# Altium PCB openmv-stm32n.PcbDoc (part 4 of 5)
Units mil, origin at the board's own origin, x right, y up, seen from the top; angles counter-clockwise.
Board outline 1400 x 1750 mil, 10 copper layers (Top Layer, L2, L3H, L5Z, L4, L6G, L7P, L8V, L9, Bottom Layer), stack 46.102 mil thick; 354 components, 264 nets, 1311 pads, 599 vias.
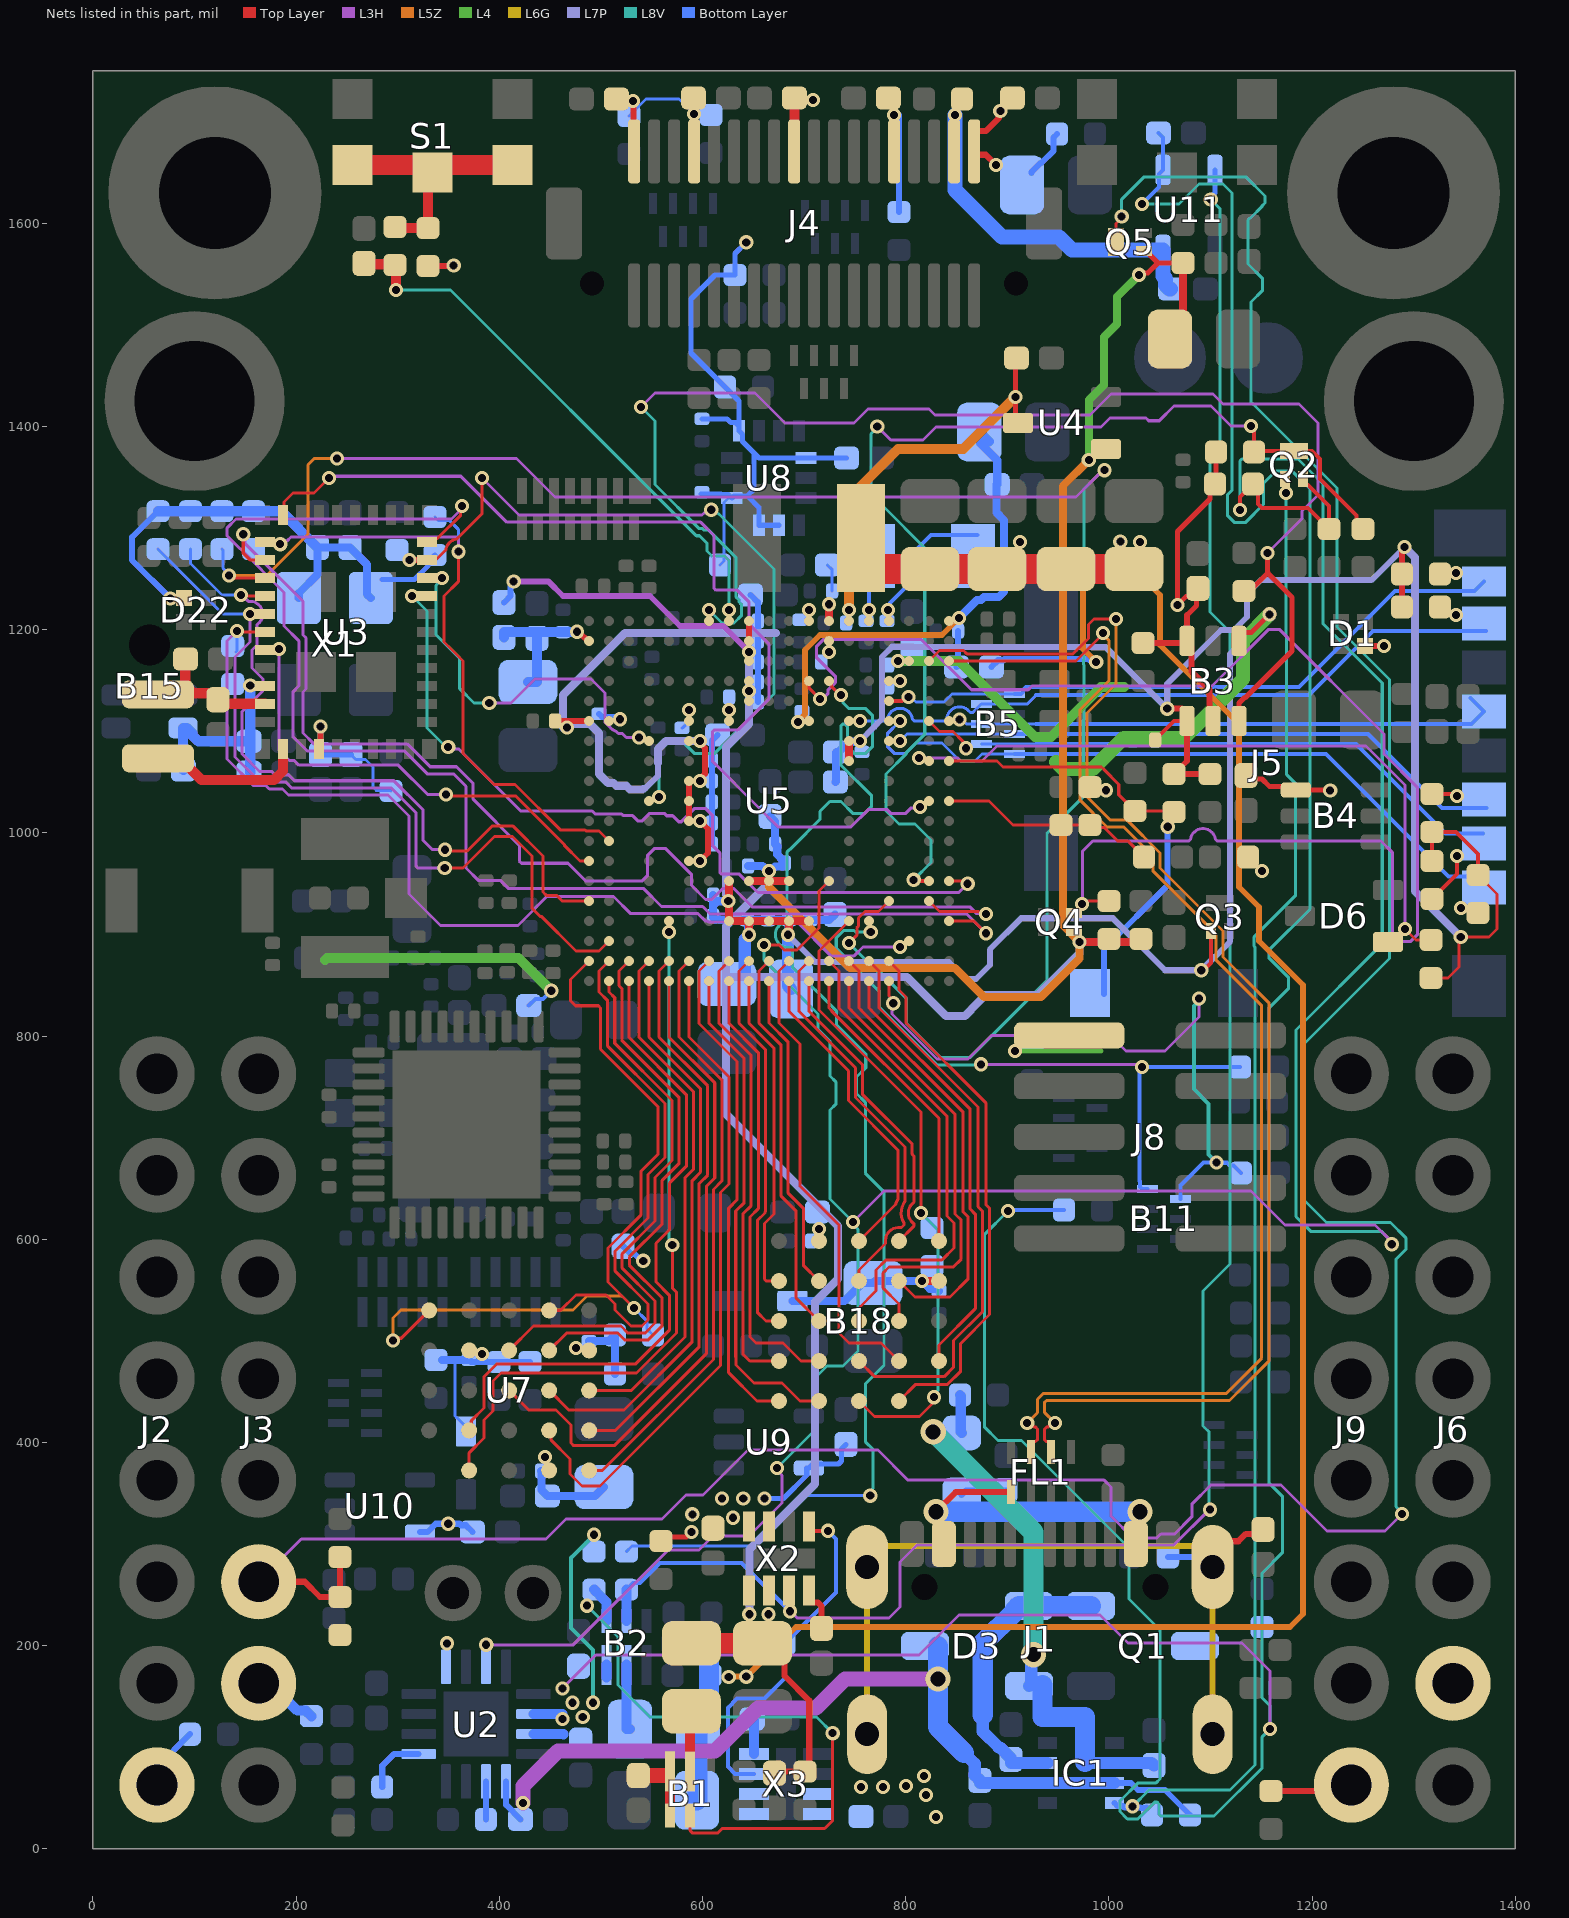
[diagram p12: the nets of this part, all layers, seen from the top]

## Via types
v1: diameter 14, hole 8, Top Layer to Bottom Layer, tented both sides, 586 vias
v2: diameter 35, hole 15, Top Layer to Bottom Layer, tented both sides, 6 vias
v3: diameter 25, hole 15, Top Layer to Bottom Layer, tented both sides, 5 vias
v4: diameter 20, hole 10, Top Layer to Bottom Layer, tented both sides, 1 vias
v5: diameter 20, hole 8, Top Layer to Bottom Layer, tented both sides, 1 vias

## Nets (pads, with @x,y where several pads share a name; then routed paths per layer and width w, separated by ;. In a path a pad name is that pad's centre, name@x,y a point inside that pad or via, vN(x,y) a via of type N, cw(c..) or ccw(c..) an arc to the next point about the centre after c; other vN are vias at no path point) (continued)
P17_MISO: B11.5 R39.1 U5.D19 | length 662.2
  Top Layer w3: U5.D19@783.46,854.33 783.46,839.59 787.7,835.36 v1(787.7,832.38)
  L3H w3: v1(787.7,832.38) 786.42,831.1 786.42,821.85 830.71,777.56 861.22,777.56 884.35,800.69 1001.48,800.69 1016.73,785.43 1055.12,785.43 1088.59,818.91 v1(1088.59,837.06)
  L8V w4: v1(1088.59,837.06) 1088.59,834.65 1083.66,829.71 1083.66,747.81 1098.05,733.42 1098.05,683.43 v1(1105.8,675.67)
  Bottom Layer w4: B11.5@1070.47,639.76 1070.47,653.15 1093,675.67 v1(1105.8,675.67) 1106.02,675.46 1115.97,675.46 1118.83,672.6 1122.68,672.6 R39.1@1129.92,665.35
P18_MOSI: B11.4 R38.1 U5.E16 | length 630.7
  L3H w3: v1(874.13,772.29) 1026.84,772.29 1029.44,769.68 v1(1032.42,769.68)
  L8V w3: v1(765.46,902.56) 750.77,902.56 749.22,904.1 738.87,904.1 731.54,896.78 731.54,886.43 773.92,844.05 773.92,828.48 830.56,771.84 873.68,771.84 v1(874.13,772.29)
  Bottom Layer w4: B11.4@1037.8,649.61 1032.3,649.61 1030.37,651.54 1030.37,657.03 1030.08,657.32 1030.08,767.34 v1(1032.42,769.68) R38.1@1128.94,769.68
PG_1V8: B2.2 R16.2 U11.3 X2.3 | length 2058.6
  L3H w3: v1(686,234) 686.5,234 693.14,227.36 783.46,227.36 794.29,238.19 794.29,282.48 811.02,299.21 1063.8,299.21 1098.55,333.96 v1(1099.34,333.96)
  L8V w3: v1(1099.34,333.96) 1098.54,334.77 1098.54,410.38 1092.52,416.4 1092.52,549.21 1119.09,575.79 1119.09,1197.83 1099.45,1217.48 1099.45,1376.03 1109.29,1385.87 1109.29,1614.5 v1(1100.22,1623.57)
  Bottom Layer w4: R16.2@525,255.3 531.31,261.61 538.18,261.61 558.07,281.5 638.5,281.5 v1(686,234)
  Bottom Layer w5: v1(1100.22,1623.57) 1100.22,1626.01 1104.33,1630.12 U11.3@1104.33,1652.56
  Bottom Layer w10: R16.2@525,255.3 525.13,255.17 B2.2@525.13,224.59
PG_3V3: B1.2 B2.1 R8.1 | length 604.9
  Top Layer w3: B1.2@587.75,32.9 587.75,18.07 590.22,15.59 614.63,15.59 619.2,20.16 720.16,20.16 728,28 v1(728,114)
  L8V w3: v1(486.2,239.49) 516.73,208.96 516.73,161.42 548.23,129.92 712.08,129.92 v1(728,114)
  Bottom Layer w10: R8.1@493,255.3 493.31,255.3 499.1,249.51 499.1,249.2 505.44,242.86 B2.1@505.44,224.59
PG_3V3_GATED: R3.1 X2.5 X3.3 | length 346.8
  Top Layer w4: X2.5@704.53,317.5 704.53,313.14 v1(723.33,313.14)
  Bottom Layer w4: X3.3@650.5,73.84 650.43,73.92 632.08,73.92 625,81 625,139 634,148 661,148 680.7,167.7 R3.1@680.7,202 731.16,252.46 731.16,305.31 v1(723.33,313.14)
PGOOD: Q2.2 R4.1 R43.1 U2.7 U5.G14 | length 2888.9
  Top Layer w3: v1(660.55,889.71) 675.49,889.71 680.36,884.84 692.91,884.84 714.57,906.5 714.57,942.91 U5.G14@724.41,952.76
  Top Layer w4: v1(1128.94,1317.91) 1128.94,1330.71 R43.1@1141.73,1343.5 1146.56,1338.68 1146.56,1323.73 1150.41,1319.88 1195.87,1319.88 R4.1@1216.54,1299.21 1216.54,1321.85 1195.83,1342.55 1193.87,1342.55 1190.94,1345.47 Q2.2@1190.94,1348.43
  L3H w3: v1(387,201) 472.8,201 566.09,294.29 596.46,294.29 610.24,308.07 645.67,308.07 678.15,340.55 678.15,367.74 673.23,372.66 v1(673.23,375) ; v1(748.03,617.13) 778.54,647.64 1139.76,647.64 1173.23,614.17 1261.9,614.17 1278.36,597.71 v1(1278.36,595.27)
  L8V w3: v1(660.55,889.71) 660.55,874.88 713.58,821.85 713.58,807.09 725.42,795.25 725.42,760.81 731.11,755.12 731.11,733.03 725.42,727.34 725.42,639.73 v1(748.03,617.13) 748.03,614.79 752.95,609.87 752.95,490.16 738.19,475.39 722.44,475.39 709.65,462.6 709.65,411.42 v1(673.23,375) ; v1(1128.94,1317.91) 1128.94,1366.35 1130.69,1368.11 1186.02,1368.11 1210.63,1343.5 1210.63,1205.95 1268.94,1147.64 1268.94,890.99 1184.12,806.16 1184.12,622.42 1198.56,607.97 1268.1,607.97 1278.36,597.71 v1(1278.36,595.27)
PMIC_ONOFF: D8.1 J3.3 Q5.3 R100.1 | length 3105.8
  Top Layer w3: Q5.3@1006.89,1581.69 1006.89,1599.92 1012.48,1605.52 v1(1012.48,1606.76)
  Top Layer w6: J3.3@163,263 208.46,263 223.43,248.03 R100.1@243.11,248.03 D8.1@243.11,287.4
  L3H w3: J3.3@163,263 205.12,305.12 445.87,305.12 465.55,324.8 560.04,324.8 583.66,348.43 600.39,348.43 644.68,392.72 772.58,392.72 802.23,363.07 995.2,363.07 1001.97,356.3 1001.97,327.76 1023.51,306.21 1047.24,306.21 1051.07,310.04 1064.73,310.04 1081.58,326.89 1081.58,339.45 1100.39,358.27 1169.29,358.27 1214.57,312.99 1271.65,312.99 v1(1288.39,329.72)
  L8V w3: v1(1012.48,1606.76) 1012.48,1623.7 1034.56,1645.78 1134.73,1645.78 1153.54,1626.97 1153.54,1620.08 1150.84,1617.38 1150.84,1616.91 1139.25,1605.32 1138.57,1605.32 1136.81,1603.56 1136.81,1560.04 1151.28,1545.57 1151.28,1534.19 1139.76,1522.68 1139.76,1424.27 1224.44,1339.6 1224.44,1202.73 1276.04,1151.12 1276.04,876.44 1191.92,792.32 1191.92,638.79 1214.1,616.61 1277.09,616.61 1292.22,601.48 1292.22,590.09 1282.57,580.45 1282.57,336.98 1288.39,331.17 v1(1288.39,329.72)
PWM_FSIN: R28.2 R53.2 R54.2 U5.A10 | length 214.8
  Top Layer w3: U5.A10@842.52,1031.5 881.89,1031.5 905.51,1007.87 R28.2@952.76,1007.87 R53.2@981.3,1007.87 983.7,1005.47 995.46,1005.47 1008.91,992.02 1018.81,992.02 R54.2@1034.45,976.38
PWR_ON: R16.1 U5.G4 | length 1327.9
  Top Layer w3: U5.G4@724.41,1149.61 724.41,1147.75 726.7,1145.46 726.7,1144.58 735.46,1135.82 v1(736.13,1135.82)
  L8V w3: v1(736.13,1135.82) 738.24,1133.71 738.24,1128.11 743.61,1122.74 760.1,1122.74 767.42,1115.41 767.42,1085.37 760.1,1078.05 749.74,1078.05 742.42,1085.37 742.42,1105.06 740.37,1107.11 737.89,1107.11 736.13,1105.35 736.13,1066.98 766.44,1036.67 766.44,1026.32 759.11,1019 748.21,1019 736.19,1031.02 725.29,1031.02 715.57,1021.29 715.57,1013.52 688.62,986.56 682.96,980.91 682.96,913.61 682.08,912.73 681.49,912.14 ccw(c684.04,899.9) 685.42,887.48 685.58,887.48 686.82,887.48 687.69,886.61 688.58,885.72 688.58,867.76 731.92,824.43 731.92,811.09 760.61,782.4 760.61,768.93 751.46,759.79 751.46,743.64 760.21,734.89 760.21,665.15 778.43,646.93 778.43,475.91 760.14,457.62 760.14,400.9 767.72,393.33 767.72,355.04 767.16,354.48 767.16,349.89 v1(765.05,347.78)
  Bottom Layer w3: R16.1@525,292.7 530.53,298.23 649.61,298.23 699.16,347.78 v1(765.05,347.78)
RAW: B1.1 B1.6 B2.6 C10.2 C28.2 C41.2 C51.2 D5.1 J3.2 R8.2 R94.2 R100.2 U2.5 U2.10 U2.11 U11.1 | length 4086.8
  Top Layer w10: B1.6@565.27,72.34 568.06,72.34 B1.1@568.06,32.9
  Top Layer w15: C28.2@536.75,72.34 B1.6@565.27,72.34
  L3H w3: v1(462,158) 494.94,190.94 812.99,190.94 852.36,230.32 991.14,230.32 1018.7,202.76 1130.91,202.76 1158.46,175.2 v1(1158.46,118.17)
  L8V w3: v1(900.59,627.95) 877.26,604.63 877.26,415.54 890.76,402.04 913.9,402.04 1019.68,296.26 1019.68,246.06 1050.2,215.55 1050.2,68.9 1046.37,65.07 1028.67,65.07 1010.76,47.16 1010.76,36.81 1018.08,29.49 1028.44,29.49 1044.97,46.02 1047.46,46.02 1049.21,44.26 1049.21,34.24 1050.97,32.48 1103.4,32.48 1150.7,79.78 1150.7,110.4 v1(1158.46,118.17) 1158.46,140.86 1150.7,148.62 1150.7,271.72 1170.96,291.99 1170.96,346.75 1157.7,360.02 1157.7,828.02 1176.87,847.18 1176.87,857.54 1157.7,876.71 1157.7,885.01 1197.76,925.07 1197.76,1338.68 1180.03,1356.41 1164.42,1356.41 1152.13,1344.11 1152.13,1323.43 1134.11,1305.41 1123.76,1305.41 1116.44,1312.74 1116.44,1332.7 1121.06,1337.32 1121.06,1629.92 1112.2,1638.78 1088.58,1638.78 1068.9,1619.09 v1(1032.48,1619.09)
  L8V w4: v1(492,144) 492,195.99 470.47,217.52 470.47,286.64 v1(493.11,309.28)
  Bottom Layer w4: v1(900.59,627.95) 901.57,628.94 R94.2@955.71,628.94 ; v1(1032.48,1619.09) 1049.15,1635.77 1049.15,1648.56 U11.1@1053.15,1652.56 1053.15,1684.65 C51.2@1048.82,1688.98
  Bottom Layer w10: J3.2@163,163 174.38,163 201.18,136.2 209.49,136.2 D5.1@215,130.7 ; U2.11@433.5,113.16 463,113.16 463,113 ; U2.10@433.5,132.84 462,132.84 v1(462,128) ; B2.6@505.44,169 B2.6@505.44,181.28
  other v1: 482,130 472,144 348.32,202.39
RTC_XTALI: C80.1 U5.E1 Y1.2 | length 54.8
  Bottom Layer w4: v1(763.78,1219.49) 763.78,1268.7 Y1.2@767.72,1272.64
RTC_XTALO: C79.1 U5.D1 Y1.1 | length 136.8
  Bottom Layer w4: v1(782.48,1219.49) 784.39,1221.4 784.39,1226.32 804.13,1246.06 804.13,1272.64 824.66,1293.16 Y1.1@870.32,1293.16
SD_CD: D12.1 J5.CD$1 R37.2 U5.A8 | length 438.9
  Top Layer w3: U5.A8@842.52,1070.87 854.19,1070.87 889.77,1070.86 895.67,1064.96 992.72,1064.96 995.2,1062.48 995.2,1062.13 1009.61,1047.73 1009.61,1037.64 D12.1@1025.59,1021.66 1062.99,1021.66 R37.2@1063.98,1020.67
  Bottom Layer w6: J5.CD$1@995.08,841.54 995.08,885.83 1057.78,948.52 v1(1057.78,1006.11)
SD_CLK: B5.6 J5.P$5 U5.A6 | length 541.8
  Bottom Layer w3: v1(852.89,1111.68) 855.33,1111.68 859.73,1107.28 928.15,1107.28
  Bottom Layer w4: 928.15,1107.28 1356.69,1107.28 J5.P$5@1369.09,1119.68 J5.P$5@1355.9,1132.87
SD_CMD: B5.3 J5.P$3 R36.2 U5.D7 | length 635.6
  Top Layer w3: v1@1340.55,1038.39 v1(1342.52,1036.42)
  Top Layer w4: R36.2@1317.91,1038.39 v1@1340.55,1038.39
  Bottom Layer w3: v1(794.29,1090.55) 801.18,1097.44 868.11,1097.44 B5.3@907.09,1097.44
  Bottom Layer w4: B5.3@907.09,1097.44 1254.92,1097.44 1327.69,1024.67 J5.P$3@1371.44,1024.67
SD_DAT0: B5.7 J5.P$7 R35.2 U5.F6 | length 671.3
  Bottom Layer w3: v1(754.92,1110.24) 780.33,1110.24 781.21,1111.11 781.89,1111.8 cw(c794.29,1110.24) 806.69,1111.8 807.38,1111.11 808.26,1110.24 838.72,1110.24 839.59,1111.11 840.4,1111.92 cw(c852.89,1111.68) 862.58,1119.59 862.68,1119.48 863.56,1118.61 864.8,1118.61 866.05,1118.61 B5.7@874.41,1126.97 919.54,1126.97 928.32,1135.76
  Bottom Layer w4: 928.32,1135.76 1196.78,1135.76 1259.75,1198.73 J5.P$7@1370.96,1198.73
  other v1: 1341.54,1214.57
SD_DAT1: B5.1 J5.P$8 R34.2 U5.D5 | length 639.6
  Top Layer w4: U5.D5@783.46,1129.92 796.27,1129.92 800.09,1133.74 v1(802.8,1133.74)
  Bottom Layer w3: v1(802.8,1133.74) 805.25,1133.74 810.06,1128.94 837.6,1128.94 845.47,1136.81 B5.1@907.09,1136.81
  Bottom Layer w4: B5.1@907.09,1136.81 913.58,1136.81 915.52,1138.75 915.52,1140.79 918.49,1143.76 1187.06,1143.76 1281.5,1238.19 1359.63,1238.19 J5.P$8@1369.09,1247.64
  other v1: 1341.54,1255.91
SD_DAT2: B5.4 J5.P$1 R33.2 U5.D6 | length 686
  Bottom Layer w3: v1(794.29,1110.24) 781.79,1097.74 781.79,1085.37 789.11,1078.05 799.51,1078.05 810.04,1088.58 835.63,1088.58 853.35,1070.86 868.11,1070.86 875,1077.76 B5.4@907.09,1077.76
  Bottom Layer w4: B5.4@907.09,1077.76 1213.58,1077.76 1334.18,957.16 J5.P$1@1370.2,957.16
  other v1: 1346.46,926.18
SD_DAT3: B5.5 J5.P$2 R32.2 U5.B6 | length 632.7
  Top Layer w3: U5.B6@822.83,1110.24 833.1,1099.97 846.42,1099.97 856.07,1090.32 856.07,1089.64 859.37,1086.34 v1(859.37,1083.36)
  Top Layer w4: R32.2@1317.91,935.04 1342.52,959.65 v1(1342.52,977.36)
  Bottom Layer w3: B5.5@874.41,1087.6 928.15,1087.6
  Bottom Layer w4: 928.15,1087.6 1243.11,1087.6 1331.38,999.33 J5.P$2@1368.23,999.33
SD_RESET: D6.1 R25.2 U5.B8 | length 673.4
  Top Layer w3: v1(1291.34,905.51) 1302.17,894.69 R25.2@1316.93,894.69
  L3H w3: v1(812.97,1073.84) 851.22,1073.84 854.19,1070.86 875,1070.86 889.76,1085.63 1252.95,1085.63 1291.34,1047.24 v1(1291.34,905.51)
SD_V_SELECT: B3.6 R23.1 U5.N1 | length 1383.5
  Top Layer w5: B3.6@1127.95,1112.2 1127.95,1127.95 1133.33,1133.33 1134.31,1133.33 1180.12,1179.13 1180.12,1231.95 1156.19,1255.88 1156.19,1275.41 v1(1156.1,1275.49) ; R23.1@1128.94,1237.2 1134.45,1242.72 1143.04,1242.72 1156.52,1256.2
  L3H w3: v1(539.37,1419.29) 553.15,1433.07 651.57,1433.07 681.1,1403.54 749.02,1403.54 762.8,1417.32 822.83,1417.32 828.74,1411.42 981.3,1411.42 1001.97,1432.09 1102.36,1432.09 1112.2,1422.24 1187.01,1422.24 1205.71,1403.54 1205.71,1332.68 1189.96,1316.93 1189.96,1309.36 v1(1156.1,1275.49)
  L8V w3: v1(539.37,1419.29) 553.15,1405.51 553.15,1343.1 596.71,1299.54 599.88,1299.54 601.04,1298.38 605.64,1298.38 632.98,1271.04 632.98,1232.17 635.83,1229.33 635.83,1227.32 638.48,1224.67 638.48,1214.31 630.87,1206.69 619.09,1206.69 v1(606.3,1219.49)
SHELL_GND: C110.1 J1.SH R41.1 | length 834.5
  Top Layer w6: J1.SH@1102.08,277.57 1102.08,286.56 1118.4,302.88 1127.39,302.88 1134.69,310.18 1147.39,310.18 C110.1@1151.57,314.37
  L6G w6: J1.SH@761.92,113 J1.SH@761.92,277.57 761.92,298.23 1102.08,298.23 J1.SH@1102.08,277.57 J1.SH@1102.08,113
  Bottom Layer w6: R41.1@1058.07,287.4 1102.08,287.4 J1.SH@1102.08,277.57
SR_VLX: L9.1 U3.34 | length 136.3
  Top Layer w10: L9.1@85.29,1073.71 107,1052 178,1052 186.99,1060.99 U3.34@186.99,1082.84
SS_1V8: C38.2 X3.4 | length 35.1
  Bottom Layer w10: C38.2@648.87,128 650.5,126.37 X3.4@650.5,93.53
SS_3V3: C27.2 X2.4 | length 46.1
  Top Layer w6: X2.4@704.53,254.5 704.53,245.65 707.43,242.74 713.49,242.74 717,239.23 C27.2@717,217.13
ST: Q2.3 R2.1 R5.2 U5.B14 | length 1116.3
  Top Layer w4: v1(807.73,953.88) 808.85,952.76 U5.B14@822.83,952.76 ; v1(1139.76,1400.59) 1142.72,1397.64 R2.1@1142.72,1375 1143.7,1375.98 Q2.3@1182.09,1375.98 1199.8,1375.98 1207.68,1368.11 1207.68,1348.43 1243.7,1312.4 1243.7,1305.52 R5.2@1250,1299.21
  L3H w3: v1(771.95,1400.14) 785.28,1386.81 816.93,1386.81 829.72,1399.61 992.13,1399.61 1000.98,1408.46 1036.41,1408.46 1039.15,1405.73 1049.5,1405.73 1064.05,1420.28 1100.39,1420.28 1120.08,1400.59 v1(1139.76,1400.59)
  L8V w3: v1(771.95,1400.14) 771.95,1399.09 765.75,1392.89 765.75,1333.49 778.95,1320.29 818.68,1280.57 818.68,1097.26 800.47,1079.05 800.47,1078.03 780.51,1058.07 780.51,1021.65 793.31,1008.86 809.06,1008.86 824.8,993.11 824.8,970.95 v1(807.73,953.88)
ST_INT: IC1.8 Q2.1 R14.1 | length 1444.3
  L8V w3: v1(1023.26,41.99) 1039.34,58.07 1119.09,58.07 1143.7,82.68 1143.7,887.8 1142.83,888.67 1142.83,897.79 1183.76,938.72 1183.76,1048.52 1174.9,1057.38 1174.9,1193.17 1174.21,1193.86 v1(1174.21,1334.65)
  Bottom Layer w6: IC1.8@1005.43,45.27 1008.34,42.37 1013.93,42.37 1015.3,41.01 1030.98,41.01 1031.66,40.33 1036.22,40.33 R14.1@1036.9,41.01
SW_1V8: B2.5 L3.1 | length 66.7
  Bottom Layer w10: B2.5@525.13,181.28 525.13,118 L3.1@528.54,118
SW_3V3: B1.5 L2.1 | length 59.8
  Top Layer w10: B1.5@587.75,76.21 L2.1@587.75,134.29 ; L2.1@587.75,129.29 L2.1@589,130.54
TMR: R11.1 U2.14 | length 37.6
  Bottom Layer w6: R11.1@386.7,29 386.84,29.14 U2.14@386.84,66.5
TS: R9.1 U2.1 | length 61.5
  Bottom Layer w6: R9.1@284.7,61 284.7,81.94 296.23,93.47 U2.1@320.5,93.47
USB_D_N: FL1.6 U5.B3 | length 1339.4
  Top Layer w3: U5.B3@822.83,1169.29 833.1,1179.55 856.86,1179.55 860.13,1176.29 964.62,1176.29 979.79,1191.47 979.79,1205.19 985.24,1210.63 v1(1006.89,1210.63) ; FL1.6@942.84,390.69 942.84,398.57 940.4,401 938.26,401 936.5,402.76 936.5,407.87 936.67,408.04 936.67,413.42 938.42,415.18 939.76,415.18 943.87,419.29 v1(946.85,419.29)
  L5Z w3: v1@946.81,419.29 936.67,429.44 936.67,439.69 938.42,441.45 1118.61,441.45 1157.32,480.16 1157.32,832.89 1112.2,878.01 1112.2,903.6 1050.2,965.61 1050.2,980.26 1017.55,1012.91 1000.98,1012.91 978.35,1035.54 978.35,1118.11 1006.89,1146.65 v1(1006.89,1210.63)
USB_D_P: FL1.7 U5.A3 | length 1277.3
  Top Layer w3: U5.A3@842.52,1169.29 967.52,1169.29 v1@993.11,1194.88 ; v1(919.48,419.22) 922.46,419.22 926.49,415.18 927.91,415.18 929.67,413.42 929.67,410.94 929.5,410.77 929.5,402.76 927.74,401 925.6,401 923.16,398.57 FL1.7@923.16,390.69
  L5Z w3: v1@919.48,419.25 929.67,429.44 929.67,442.59 935.52,448.45 1115.71,448.45 1150.32,483.06 1150.32,829.99 1105.2,875.11 1105.2,900.7 1043.2,962.71 1043.2,977.36 1014.65,1005.91 998.09,1005.91 971.35,1032.64 971.35,1121.01 999.89,1149.55 999.89,1189.59 994.09,1195.39 v1(994.09,1196.85)
USB_VBUS: C1.1 FL1.1 J1.A4_B9 J1.B4_A9 L1.1 | length 325.4
  Top Layer w6: v3(829.7,331.91) 849.09,351.31 FL1.1@903.47,351.31
  Bottom Layer w6: L1.1@855,348.5 859.45,352.96 C1.1@898.59,352.96
  Bottom Layer w20: v3@831.05,331.91 v3@1029.18,331.91
  other v3: 1030.54,331.91
USER_SW: C25.2 R68.2 U5.M1 | length 547.4
  Top Layer w10: C25.2@266.73,1560.63 267.52,1559.84 296.46,1559.84 R68.2@297.24,1559.06 298.23,1558.07 v1(298.23,1534.45)
  L8V w3: v1(298.23,1534.45) 351.9,1534.45 586.93,1299.41 593.81,1292.54 596.98,1292.54 604.3,1285.21 604.3,1277.59 609.25,1272.64 621.49,1272.64 625.98,1268.14 v1(625.98,1219.49)
USER_SW_INT: R67.1 R68.1 S1.2 S1.3 S1.4 | length 254.2
  Top Layer w10: R68.1@297.24,1596.46 298.21,1595.49 R67.1@329.72,1595.47 ; R67.1@329.72,1595.47 329.72,1653.32 S1.3@333.92,1657.52
  Top Layer w20: S1.4@255.18,1657.52 333.92,1657.52 S1.2@412.66,1657.52
V_BATT: C4.2 C9.2 D3.3 IC1.2 IC1.7 R14.2 U2.13 | length 883.7
  L3H w15: v1(423.23,45.28) 423.23,62.01 457.68,96.46 612.2,96.46 654.53,138.78 711.61,138.78 740.16,167.32 v3(831.69,167.32)
  Bottom Layer w6: U2.13@406.53,66.5 406.53,43.34 C9.2@420.87,29 ; IC1.7@1005.43,64.96 1021.65,64.96 1024.59,62.03 1028.54,58.07 1055.12,58.07 R14.2@1079.72,33.46
  Bottom Layer w12: 857.28,94.49 867.84,83.93 867.84,72.51 C4.2@873.03,67.32 873.03,64.96 IC1.2@939.45,64.96 IC1.7@1005.43,64.96
  Bottom Layer w20: D3.3@831.72,199.55 831.72,120.05 857.28,94.49
VBUS: C5.2 D3.2 IC1.6 L1.2 R103.2 | length 518.5
  L8V w20: v3(826.86,410.55) 925.7,311.71 v3(925.7,191.34)
  Bottom Layer w10: R103.2@853.35,446.85 854.17,446.02 854.17,410.35 L1.2@855,409.53
  Bottom Layer w12: D3.2@921.26,160.43 923.48,162.65 923.48,189.12 v3(925.7,191.34) ; 976.38,85.63 976.38,84.64 IC1.6@1005.43,84.64 1041.93,84.64 C5.2@1044.29,82.28
  Bottom Layer w20: D3.2@934.49,161.43 934.49,129.92 976.38,129.92 976.38,85.63
VCC_1.8V: C29.1 C30.2 L3.2 L13.2 R3.2 R17.2 X3.1 X3.2 | length 2097.8
  L5Z w6: v1(625.73,169.3) 625.73,169.61 v1(643,169.61) ; v1(643,169.61) 691.93,218.5 1178.15,218.5 1190.94,231.3 1190.94,850.39 1147.64,893.7 1147.64,927.17 1127.95,946.85 1127.95,1107.28 1050.2,1185.04 1050.2,1234.25 1024.61,1259.84 986.22,1259.84 974.41,1248.03 974.41,1181.28 v1(987.39,1168.3)
  Bottom Layer w6: L13.2@884.25,1163.39 890.86,1169.99 896,1169.99 897.17,1171.16 979.88,1171.16 981.2,1169.83 985.86,1169.83 v1(987.39,1168.3) ; v1@988.04,1168.3 v1@988.04,1171
  Bottom Layer w20: C29.1@594.46,48 594.96,48.5 594.96,117.5 L3.2@595.46,118 606.25,128.79 C30.2@606.25,202
VCC_1.8V_A: C107.2 C136.1 C138.2 C149.2 L13.1 U5.A1 U5.H6 | length 510.5
  L5Z w6: v1(693.9,1109.25) 693.9,1109.88 700.79,1116.77 700.79,1180.12 715.55,1194.88 835.63,1194.88 v1(852.36,1211.61)
  Bottom Layer w6: L13.1@850,1163.39 851.55,1164.94 C149.2@851.55,1198.82
  Bottom Layer w8: v1(852.36,1211.61) 870.08,1229.33 874.02,1229.33 876.83,1232.14 891.52,1232.14 896.79,1237.41 896.79,1307.86 889.23,1315.43 C138.2@889.23,1343.06 ; C107.2@872.45,1394.69 872.45,1384.44 889.96,1366.93 C138.2@889.96,1342.92
  Bottom Layer w10: C107.2@872.45,1394.69 C107.2@881.76,1385.38
VCC_1.8V_A_GATED: C97.1 C108.2 C128.1 C129.1 C130.2 C132.1 C134.1 C137.2 L14.1 U5.D4 U5.H1 U5.M6 U5.P6 U5.V6 U5.W2 | length 187.7
  Top Layer w6: v1(476.29,1198.08) U5.W2@488.19,1188.98
  Bottom Layer w3: C134.1@579.72,1103.52 580.41,1103.52 585.72,1108.83 585.72,1109.52 586.61,1110.41 v1(586.61,1121.06)
  Bottom Layer w6: C132.1@498.03,1117.3 500.99,1114.34 514.03,1114.34 516.46,1111.92 v1(518.62,1111.92)
  Bottom Layer w10: L14.1@404.53,1192.52 404.53,1197.66 C129.1@462.6,1197.66 476.29,1197.66 v1(476.29,1198.08) ; C108.2@428.15,1148.62 437.01,1148.62 C128.1@437.01,1191.54
  other v1: 625.98,1121.06 794.29,1149.61 704.72,1219.49
VCC_1.8V_GATED: B3.1 B18.D1 B18.E4 C16.1 C17.1 C18.1 C19.1 C20.1 C31.1 C66.2 C67.2 C68.2 C69.1 C96.2 C100.1 C101.1 C102.1 C103.1 C104.1 C109.2 C119.1 C121.1 C122.1 C123.1 C124.1 C125.1 C142.2 C144.1 D9.1 D11.1 L14.2 Q3.1 R88.1 R89.1 R90.1 R91.1 R92.1 R93.1 U5.H16 U5.J16 U5.K16 U5.L1 U5.L2 U5.L3 U5.L4 U5.L5 U5.L16 U5.M14 U5.M16 U7.B4 U7.D1 U7.E4 X3.7 X3.8 | length 2833.7
  Top Layer w4: v1(1090.86,864.86) 1093.21,864.86 1100.39,872.05 Q3.1@1100.39,903.54
  Top Layer w5: B3.1@1127.95,1188.98 1127.95,1192.57 1132.86,1197.47 1140.26,1197.47 v1(1158.01,1215.22)
  Top Layer w6: U5.L2@645.67,1188.98 U5.L1@645.67,1208.66
  Top Layer w8: U5.M14@625.98,952.76 U5.M16@625.98,913.39 U5.L16@645.67,913.39 ; v1(645.67,899.9) U5.L16@645.67,913.39 ; v1(684.04,899.9) 685.04,900.9 U5.J16@685.04,913.39 ; U5.H16@704.72,913.39 U5.J16@685.04,913.39 ; v1(815.94,559.06) B18.D1@832.68,559.06 ; U5.L16@645.67,913.39 U5.K16@665.35,913.39 U5.J16@685.04,913.39
  L3H w6: v1(414.05,1247.61) 448.25,1247.61 462.6,1233.27 548.23,1233.27 577.76,1203.74 620.19,1203.74 645.67,1178.26 v1(645.67,1178.15)
  L4 w14: 947.83,1069.88 954.72,1062.99 984.02,1062.99 1014.53,1093.5 1073.82,1093.5 1131.89,1151.57 1131.89,1189.11 v1(1158.01,1215.22)
  L7P w6: v1(684.04,899.9) 710.91,873.03 842.52,873.03 859.25,856.3 869.09,856.3 882.87,870.08 882.87,885.37 913.62,916.12 1003.86,916.12 1055.12,864.86 v1(1090.86,864.86) 1119.09,893.09 1119.09,1176.31 v1(1158.01,1215.22)
  L7P w8: v1(625.2,933.03) 624.05,934.17 624.05,938.42 623.03,939.44 623.03,1084.65 645.67,1107.28 v1(645.67,1139.76) v1(645.67,1178.15)
  Bottom Layer w3: 356.7,481.3 356.3,480.89 356.3,426.18 358.06,424.42 358.36,424.42 367.13,415.65 D11.1@367.13,410.92
  Bottom Layer w6: C17.1@369.91,481.3 371.87,479.33 R90.1@399.61,479.33 R88.1@430.12,479.33 ; L14.2@404.53,1226.77 411.13,1233.38 411.13,1242.53 414.05,1245.45 v1(414.05,1247.61) ; C109.2@647.24,1234.25 654.35,1227.14 C104.1@654.35,1208.66 C100.1@654.35,1188.98 C101.1@654.35,1168.31 C102.1@654.35,1148.62 C103.1@654.35,1128.94